# Altium PCB JTAG批量下载板-V1.6-ASCII.PcbDoc (part 12 of 14)
Units mil, origin at the board's own origin, x right, y up, seen from the top; angles counter-clockwise.
Board outline 7947.6 x 7007.76 mil, 2 copper layers (Top Layer, Bottom Layer); 207 components, 340 nets, 1329 pads, 792 vias.
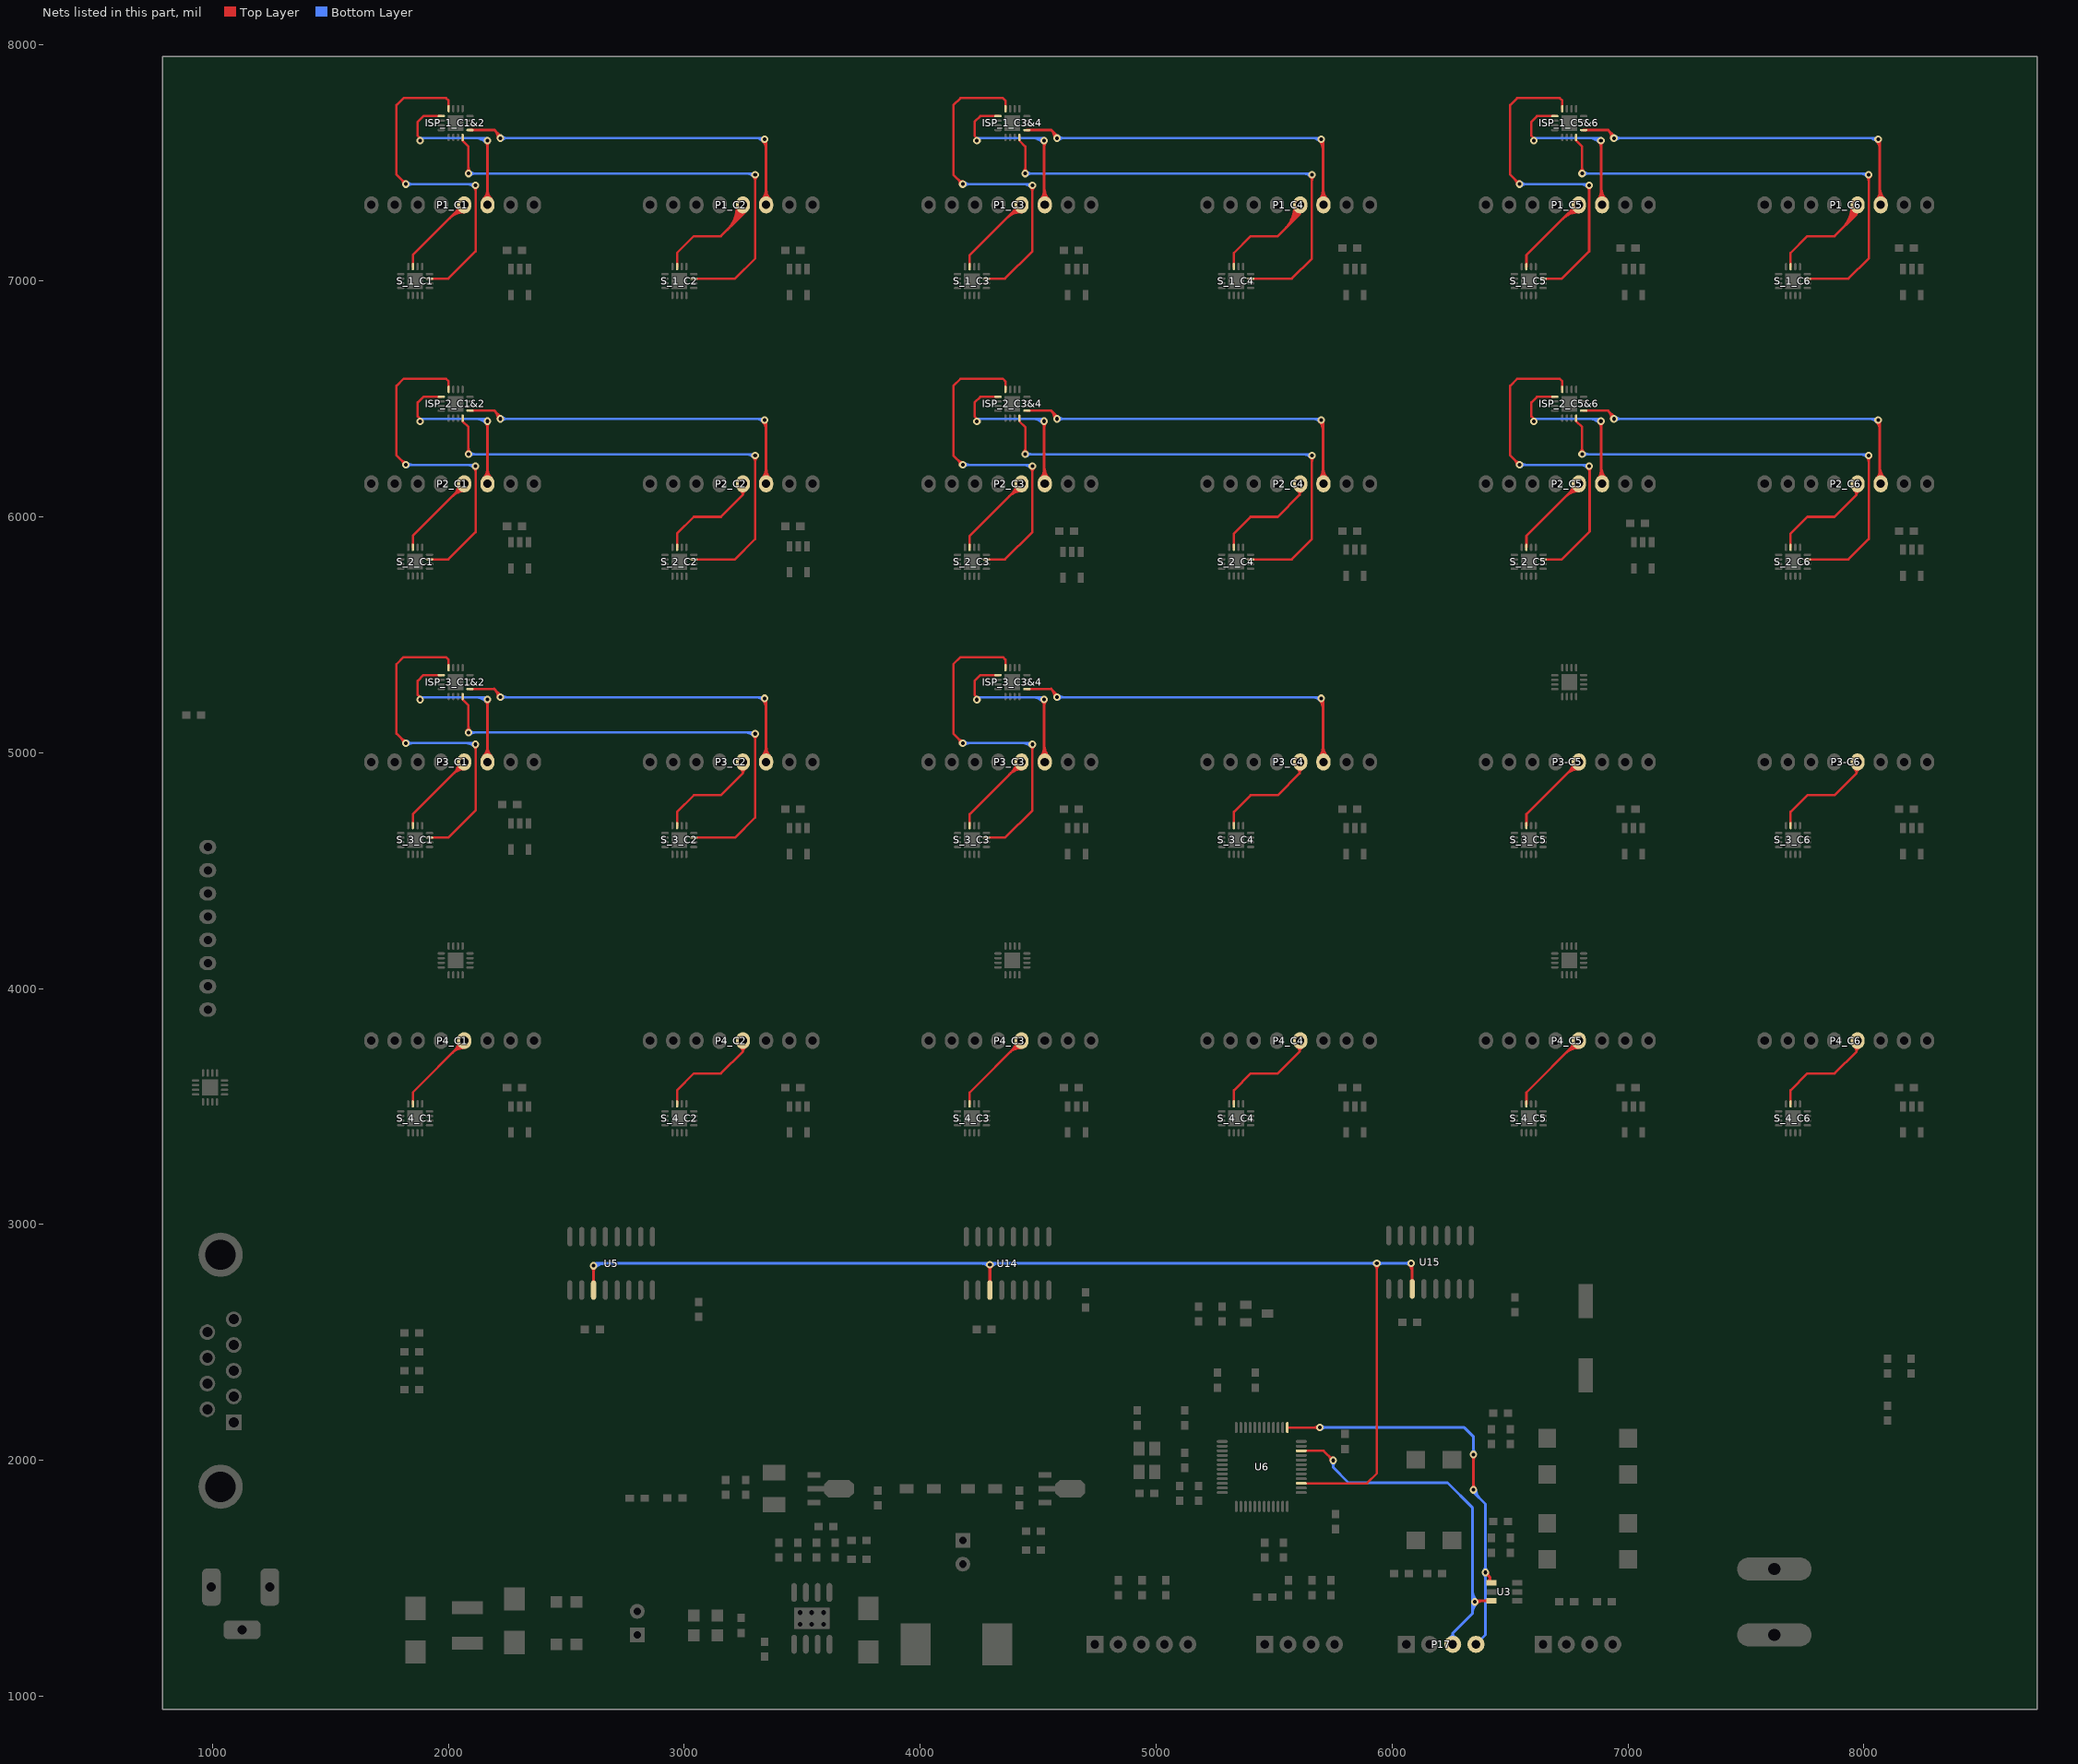
[diagram p12: the nets of this part, all layers, seen from the top]

## Via types
v1: diameter 32, hole 16, Top Layer to Bottom Layer, 721 vias
v2: diameter 50, hole 28, Top Layer to Bottom Layer, 45 vias
v3: diameter 40, hole 20, Top Layer to Bottom Layer, 26 vias

## Nets (pads, with @x,y where several pads share a name; then routed paths per layer and width w, separated by ;. In a path a pad name is that pad's centre, name@x,y a point inside that pad or via, vN(x,y) a via of type N, cw(c..) or ccw(c..) an arc to the next point about the centre after c; other vN are vias at no path point) (continued)
SRCLK_1: U5.11 U6.27 U14.11 U15.11 | length 7289.3
  Top Layer w10: U6.27@5614.65,1902.83 5892.83,1902.83 5935,1945 v1(5935,2835) ; v1@5927.22,2827.22 cw(c5908.44,2808.44) 5935,2808.44 ; v1@5927.22,2827.22 cw(c5908.44,2808.44) 5935,2808.44 ; v1@5927.22,2827.22 cw(c5908.44,2808.44) 5935,2808.44 ; v1@5927.22,2827.22 cw(c5908.44,2808.44) 5935,2808.44 ; v1@5927.22,2827.22 cw(c5908.44,2808.44) 5935,2808.44 ; 5935,2808.44 cw(c5961.56,2808.44) v1@5942.78,2827.22 ; 5935,2808.44 cw(c5961.56,2808.44) v1@5942.78,2827.22 ; 5935,2808.44 cw(c5961.56,2808.44) v1@5942.78,2827.22 ; 5935,2808.44 cw(c5961.56,2808.44) v1@5942.78,2827.22 ; 5935,2808.44 cw(c5961.56,2808.44) v1@5942.78,2827.22
  Top Layer w12: U5.11@2615,2721.81 v1(2615,2825) ; U14.11@4295,2721.81 v1(4295,2830) ; v1(6080,2835) 6085,2830 U15.11@6085,2726.81 ; v1@2607.93,2817.93 cw(c2590.86,2800.86) 2615,2800.86 ; v1@2607.93,2817.93 cw(c2590.86,2800.86) 2615,2800.86 ; v1@2607.93,2817.93 cw(c2590.86,2800.86) 2615,2800.86 ; v1@2607.93,2817.93 cw(c2590.86,2800.86) 2615,2800.86 ; v1@2607.93,2817.93 cw(c2590.86,2800.86) 2615,2800.86 ; U5.11@2611.59,2755.74 ccw(c2603.35,2763.98) 2615,2763.98 ; U5.11@2611.59,2755.74 ccw(c2603.35,2763.98) 2615,2763.98 ; U5.11@2611.59,2755.74 ccw(c2603.35,2763.98) 2615,2763.98 ; U5.11@2611.59,2755.74 ccw(c2603.35,2763.98) 2615,2763.98 ; U5.11@2611.59,2755.74 ccw(c2603.35,2763.98) 2615,2763.98 ; 2615,2763.98 ccw(c2626.65,2763.98) U5.11@2618.41,2755.74 ; 2615,2763.98 ccw(c2626.65,2763.98) U5.11@2618.41,2755.74 ; 2615,2763.98 ccw(c2626.65,2763.98) U5.11@2618.41,2755.74 ; 2615,2763.98 ccw(c2626.65,2763.98) U5.11@2618.41,2755.74 ; 2615,2763.98 ccw(c2626.65,2763.98) U5.11@2618.41,2755.74 ; 2615,2800.86 cw(c2639.14,2800.86) v1@2622.07,2817.93 ; 2615,2800.86 cw(c2639.14,2800.86) v1@2622.07,2817.93 ; 2615,2800.86 cw(c2639.14,2800.86) v1@2622.07,2817.93 ; 2615,2800.86 cw(c2639.14,2800.86) v1@2622.07,2817.93 ; 2615,2800.86 cw(c2639.14,2800.86) v1@2622.07,2817.93 ; v1@4287.93,2822.93 cw(c4270.86,2805.86) 4295,2805.86 ; v1@4287.93,2822.93 cw(c4270.86,2805.86) 4295,2805.86 ; v1@4287.93,2822.93 cw(c4270.86,2805.86) 4295,2805.86 ; v1@4287.93,2822.93 cw(c4270.86,2805.86) 4295,2805.86 ; v1@4287.93,2822.93 cw(c4270.86,2805.86) 4295,2805.86 ; U14.11@4291.59,2755.74 ccw(c4283.35,2763.98) 4295,2763.98 ; U14.11@4291.59,2755.74 ccw(c4283.35,2763.98) 4295,2763.98 ; U14.11@4291.59,2755.74 ccw(c4283.35,2763.98) 4295,2763.98 ; U14.11@4291.59,2755.74 ccw(c4283.35,2763.98) 4295,2763.98 ; U14.11@4291.59,2755.74 ccw(c4283.35,2763.98) 4295,2763.98 ; 4295,2763.98 ccw(c4306.65,2763.98) U14.11@4298.41,2755.74 ; 4295,2763.98 ccw(c4306.65,2763.98) U14.11@4298.41,2755.74 ; 4295,2763.98 ccw(c4306.65,2763.98) U14.11@4298.41,2755.74 ; 4295,2763.98 ccw(c4306.65,2763.98) U14.11@4298.41,2755.74 ; 4295,2763.98 ccw(c4306.65,2763.98) U14.11@4298.41,2755.74 ; 4295,2805.86 cw(c4319.14,2805.86) v1@4302.07,2822.93 ; 4295,2805.86 cw(c4319.14,2805.86) v1@4302.07,2822.93 ; 4295,2805.86 cw(c4319.14,2805.86) v1@4302.07,2822.93 ; 4295,2805.86 cw(c4319.14,2805.86) v1@4302.07,2822.93 ; 4295,2805.86 cw(c4319.14,2805.86) v1@4302.07,2822.93 ; v1@6072.93,2827.93 cw(c6043.79,2798.79) 6085,2798.79 ; v1@6072.93,2827.93 cw(c6043.79,2798.79) 6085,2798.79 ; v1@6072.93,2827.93 cw(c6043.79,2798.79) 6085,2798.79 ; v1@6072.93,2827.93 cw(c6043.79,2798.79) 6085,2798.79 ; v1@6072.93,2827.93 cw(c6043.79,2798.79) 6085,2798.79 ; U15.11@6081.59,2760.74 ccw(c6073.35,2768.98) 6085,2768.98 ; U15.11@6081.59,2760.74 ccw(c6073.35,2768.98) 6085,2768.98 ; U15.11@6081.59,2760.74 ccw(c6073.35,2768.98) 6085,2768.98 ; U15.11@6081.59,2760.74 ccw(c6073.35,2768.98) 6085,2768.98 ; U15.11@6081.59,2760.74 ccw(c6073.35,2768.98) 6085,2768.98 ; 6085,2768.98 ccw(c6096.65,2768.98) U15.11@6088.41,2760.74 ; 6085,2768.98 ccw(c6096.65,2768.98) U15.11@6088.41,2760.74 ; 6085,2768.98 ccw(c6096.65,2768.98) U15.11@6088.41,2760.74 ; 6085,2768.98 ccw(c6096.65,2768.98) U15.11@6088.41,2760.74 ; 6085,2768.98 ccw(c6096.65,2768.98) U15.11@6088.41,2760.74
  Bottom Layer w12: v1(2615,2825) 2625,2835 v1@6090,2835 ; v1@2613.59,2826.41 cw(c2634.31,2805.69) 2634.31,2835 ; v1@2613.59,2826.41 cw(c2634.31,2805.69) 2634.31,2835 ; v1@2613.59,2826.41 cw(c2634.31,2805.69) 2634.31,2835 ; v1@2613.59,2826.41 cw(c2634.31,2805.69) 2634.31,2835 ; v1@2613.59,2826.41 cw(c2634.31,2805.69) 2634.31,2835 ; v1@2622.07,2817.93 cw(c2663.28,2776.72) 2663.28,2835 ; v1@2622.07,2817.93 cw(c2663.28,2776.72) 2663.28,2835 ; v1@2622.07,2817.93 cw(c2663.28,2776.72) 2663.28,2835 ; v1@2622.07,2817.93 cw(c2663.28,2776.72) 2663.28,2835 ; v1@2622.07,2817.93 cw(c2663.28,2776.72) 2663.28,2835 ; 4258.79,2835 cw(c4258.79,2793.79) v1@4287.93,2822.93 ; 4258.79,2835 cw(c4258.79,2793.79) v1@4287.93,2822.93 ; 4258.79,2835 cw(c4258.79,2793.79) v1@4287.93,2822.93 ; 4258.79,2835 cw(c4258.79,2793.79) v1@4287.93,2822.93 ; 4258.79,2835 cw(c4258.79,2793.79) v1@4287.93,2822.93 ; v1@4302.07,2822.93 cw(c4331.21,2793.79) 4331.21,2835 ; v1@4302.07,2822.93 cw(c4331.21,2793.79) 4331.21,2835 ; v1@4302.07,2822.93 cw(c4331.21,2793.79) 4331.21,2835 ; v1@4302.07,2822.93 cw(c4331.21,2793.79) 4331.21,2835 ; v1@4302.07,2822.93 cw(c4331.21,2793.79) 4331.21,2835 ; 5910.86,2835 cw(c5910.86,2810.86) v1@5927.93,2827.93 ; 5910.86,2835 ccw(c5910.86,2859.14) v1@5927.93,2842.07 ; 5910.86,2835 cw(c5910.86,2810.86) v1@5927.93,2827.93 ; 5910.86,2835 ccw(c5910.86,2859.14) v1@5927.93,2842.07 ; 5910.86,2835 cw(c5910.86,2810.86) v1@5927.93,2827.93 ; 5910.86,2835 ccw(c5910.86,2859.14) v1@5927.93,2842.07 ; 5910.86,2835 cw(c5910.86,2810.86) v1@5927.93,2827.93 ; 5910.86,2835 ccw(c5910.86,2859.14) v1@5927.93,2842.07 ; 5910.86,2835 cw(c5910.86,2810.86) v1@5927.93,2827.93 ; 5910.86,2835 ccw(c5910.86,2859.14) v1@5927.93,2842.07 ; v1@5942.07,2827.93 cw(c5959.14,2810.86) 5959.14,2835 ; v1@5942.07,2827.93 cw(c5959.14,2810.86) 5959.14,2835 ; v1@5942.07,2827.93 cw(c5959.14,2810.86) 5959.14,2835 ; v1@5942.07,2827.93 cw(c5959.14,2810.86) 5959.14,2835 ; v1@5942.07,2827.93 cw(c5959.14,2810.86) 5959.14,2835 ; v1@5942.07,2842.07 ccw(c5959.14,2859.14) 5959.14,2835 ; v1@5942.07,2842.07 ccw(c5959.14,2859.14) 5959.14,2835 ; v1@5942.07,2842.07 ccw(c5959.14,2859.14) 5959.14,2835 ; v1@5942.07,2842.07 ccw(c5959.14,2859.14) 5959.14,2835 ; v1@5942.07,2842.07 ccw(c5959.14,2859.14) 5959.14,2835 ; 6055.86,2835 cw(c6055.86,2810.86) v1@6072.93,2827.93 ; 6055.86,2835 ccw(c6055.86,2859.14) v1@6072.93,2842.07 ; 6055.86,2835 cw(c6055.86,2810.86) v1@6072.93,2827.93 ; 6055.86,2835 ccw(c6055.86,2859.14) v1@6072.93,2842.07 ; 6055.86,2835 cw(c6055.86,2810.86) v1@6072.93,2827.93 ; 6055.86,2835 ccw(c6055.86,2859.14) v1@6072.93,2842.07 ; 6055.86,2835 cw(c6055.86,2810.86) v1@6072.93,2827.93 ; 6055.86,2835 ccw(c6055.86,2859.14) v1@6072.93,2842.07 ; 6055.86,2835 cw(c6055.86,2810.86) v1@6072.93,2827.93 ; 6055.86,2835 ccw(c6055.86,2859.14) v1@6072.93,2842.07
SWCLK: P17.4 U3.1 U6.37 | length 3574.8
  Top Layer w10: U6.37@5555.59,2139.06 v1(5694.06,2139.06) ; 5667.5,2139.06 cw(c5667.5,2112.5) v1@5686.28,2131.28 ; 5667.5,2139.06 ccw(c5667.5,2165.61) v1@5686.28,2146.83 ; 5667.5,2139.06 cw(c5667.5,2112.5) v1@5686.28,2131.28 ; 5667.5,2139.06 ccw(c5667.5,2165.61) v1@5686.28,2146.83 ; 5667.5,2139.06 cw(c5667.5,2112.5) v1@5686.28,2131.28 ; 5667.5,2139.06 ccw(c5667.5,2165.61) v1@5686.28,2146.83 ; 5667.5,2139.06 cw(c5667.5,2112.5) v1@5686.28,2131.28 ; 5667.5,2139.06 ccw(c5667.5,2165.61) v1@5686.28,2146.83 ; 5667.5,2139.06 cw(c5667.5,2112.5) v1@5686.28,2131.28 ; 5667.5,2139.06 ccw(c5667.5,2165.61) v1@5686.28,2146.83
  Top Layer w12: v1(6345,1875) v1(6345,2025) ; v1(6395,1525) 6415,1505 ; U3.1@6415,1485 6415,1505 ; v1@6337.93,1882.07 ccw(c6320.86,1899.14) 6345,1899.14 ; v1@6337.93,1882.07 ccw(c6320.86,1899.14) 6345,1899.14 ; v1@6337.93,1882.07 ccw(c6320.86,1899.14) 6345,1899.14 ; v1@6337.93,1882.07 ccw(c6320.86,1899.14) 6345,1899.14 ; v1@6337.93,1882.07 ccw(c6320.86,1899.14) 6345,1899.14 ; v1@6337.93,2017.93 cw(c6320.86,2000.86) 6345,2000.86 ; v1@6337.93,2017.93 cw(c6320.86,2000.86) 6345,2000.86 ; v1@6337.93,2017.93 cw(c6320.86,2000.86) 6345,2000.86 ; v1@6337.93,2017.93 cw(c6320.86,2000.86) 6345,2000.86 ; v1@6337.93,2017.93 cw(c6320.86,2000.86) 6345,2000.86 ; 6345,1899.14 ccw(c6369.14,1899.14) v1@6352.07,1882.07 ; 6345,1899.14 ccw(c6369.14,1899.14) v1@6352.07,1882.07 ; 6345,1899.14 ccw(c6369.14,1899.14) v1@6352.07,1882.07 ; 6345,1899.14 ccw(c6369.14,1899.14) v1@6352.07,1882.07 ; 6345,1899.14 ccw(c6369.14,1899.14) v1@6352.07,1882.07 ; 6345,2000.86 cw(c6369.14,2000.86) v1@6352.07,2017.93 ; 6345,2000.86 cw(c6369.14,2000.86) v1@6352.07,2017.93 ; 6345,2000.86 cw(c6369.14,2000.86) v1@6352.07,2017.93 ; 6345,2000.86 cw(c6369.14,2000.86) v1@6352.07,2017.93 ; 6345,2000.86 cw(c6369.14,2000.86) v1@6352.07,2017.93 ; v1@6395,1515 cw(c6395,1490.86) 6412.07,1507.93 ; v1@6395,1515 cw(c6395,1490.86) 6412.07,1507.93 ; v1@6395,1515 cw(c6395,1490.86) 6412.07,1507.93 ; v1@6395,1515 cw(c6395,1490.86) 6412.07,1507.93 ; v1@6395,1515 cw(c6395,1490.86) 6412.07,1507.93 ; v1@6405,1525 ccw(c6429.14,1525) 6412.07,1507.93 ; v1@6405,1525 ccw(c6429.14,1525) 6412.07,1507.93 ; v1@6405,1525 ccw(c6429.14,1525) 6412.07,1507.93 ; v1@6405,1525 ccw(c6429.14,1525) 6412.07,1507.93 ; v1@6405,1525 ccw(c6429.14,1525) 6412.07,1507.93 ; U3.1@6406.13,1484.19 ccw(c6386.15,1505) 6415,1505 ; U3.1@6406.13,1484.19 ccw(c6386.15,1505) 6415,1505 ; U3.1@6406.13,1484.19 ccw(c6386.15,1505) 6415,1505 ; U3.1@6406.13,1484.19 ccw(c6386.15,1505) 6415,1505 ; U3.1@6406.13,1484.19 ccw(c6386.15,1505) 6415,1505
  Bottom Layer w12: v1(5694.06,2139.06) 6305.94,2139.06 6345,2100 v1(6345,2025) ; v1(6345,1875) 6345,1865 6395,1815 6395,1259.72 P17.4@6355.28,1220 ; v1@5701.13,2131.98 cw(c5718.2,2114.91) 5718.2,2139.06 ; v1@5701.13,2131.98 cw(c5718.2,2114.91) 5718.2,2139.06 ; v1@5701.13,2131.98 cw(c5718.2,2114.91) 5718.2,2139.06 ; v1@5701.13,2131.98 cw(c5718.2,2114.91) 5718.2,2139.06 ; v1@5701.13,2131.98 cw(c5718.2,2114.91) 5718.2,2139.06 ; v1@5701.13,2146.13 ccw(c5718.2,2163.2) 5718.2,2139.06 ; v1@5701.13,2146.13 ccw(c5718.2,2163.2) 5718.2,2139.06 ; v1@5701.13,2146.13 ccw(c5718.2,2163.2) 5718.2,2139.06 ; v1@5701.13,2146.13 ccw(c5718.2,2163.2) 5718.2,2139.06 ; v1@5701.13,2146.13 ccw(c5718.2,2163.2) 5718.2,2139.06 ; v1@6337.93,2032.07 ccw(c6320.86,2049.14) 6345,2049.14 ; v1@6337.93,2032.07 ccw(c6320.86,2049.14) 6345,2049.14 ; v1@6337.93,2032.07 ccw(c6320.86,2049.14) 6345,2049.14 ; v1@6337.93,2032.07 ccw(c6320.86,2049.14) 6345,2049.14 ; v1@6337.93,2032.07 ccw(c6320.86,2049.14) 6345,2049.14 ; 6345,2049.14 ccw(c6369.14,2049.14) v1@6352.07,2032.07 ; 6345,2049.14 ccw(c6369.14,2049.14) v1@6352.07,2032.07 ; 6345,2049.14 ccw(c6369.14,2049.14) v1@6352.07,2032.07 ; 6345,2049.14 ccw(c6369.14,2049.14) v1@6352.07,2032.07 ; 6345,2049.14 ccw(c6369.14,2049.14) v1@6352.07,2032.07 ; v1@6355,1875 ccw(c6403.28,1875) 6369.14,1840.86 ; v1@6355,1875 ccw(c6403.28,1875) 6369.14,1840.86 ; v1@6355,1875 ccw(c6403.28,1875) 6369.14,1840.86 ; v1@6355,1875 ccw(c6403.28,1875) 6369.14,1840.86 ; v1@6387.93,1517.93 cw(c6370.86,1500.86) 6395,1500.86 ; v1@6387.93,1517.93 cw(c6370.86,1500.86) 6395,1500.86 ; v1@6387.93,1517.93 cw(c6370.86,1500.86) 6395,1500.86 ; v1@6387.93,1517.93 cw(c6370.86,1500.86) 6395,1500.86 ; v1@6387.93,1517.93 cw(c6370.86,1500.86) 6395,1500.86 ; v1@6387.93,1532.07 ccw(c6370.86,1549.14) 6395,1549.14 ; v1@6387.93,1532.07 ccw(c6370.86,1549.14) 6395,1549.14 ; v1@6387.93,1532.07 ccw(c6370.86,1549.14) 6395,1549.14 ; v1@6387.93,1532.07 ccw(c6370.86,1549.14) 6395,1549.14 ; v1@6387.93,1532.07 ccw(c6370.86,1549.14) 6395,1549.14 ; 6395,1500.86 cw(c6419.14,1500.86) v1@6402.07,1517.93 ; 6395,1500.86 cw(c6419.14,1500.86) v1@6402.07,1517.93 ; 6395,1500.86 cw(c6419.14,1500.86) v1@6402.07,1517.93 ; 6395,1500.86 cw(c6419.14,1500.86) v1@6402.07,1517.93 ; 6395,1500.86 cw(c6419.14,1500.86) v1@6402.07,1517.93 ; 6395,1549.14 ccw(c6419.14,1549.14) v1@6402.07,1532.07 ; 6395,1549.14 ccw(c6419.14,1549.14) v1@6402.07,1532.07 ; 6395,1549.14 ccw(c6419.14,1549.14) v1@6402.07,1532.07 ; 6395,1549.14 ccw(c6419.14,1549.14) v1@6402.07,1532.07 ; 6395,1549.14 ccw(c6419.14,1549.14) v1@6402.07,1532.07
SWDIO: P17.3 U3.3 U6.34 | length 3067.1
  Top Layer w10: U6.34@5614.65,2040.63 5709.37,2040.63 v1(5750,2000) ; 5731.22,2018.78 cw(c5712.44,2000) v1@5739,2000 ; 5731.22,2018.78 ccw(c5750,2037.56) v1@5750,2011 ; 5731.22,2018.78 cw(c5712.44,2000) v1@5739,2000 ; 5731.22,2018.78 ccw(c5750,2037.56) v1@5750,2011 ; 5731.22,2018.78 cw(c5712.44,2000) v1@5739,2000 ; 5731.22,2018.78 ccw(c5750,2037.56) v1@5750,2011 ; 5731.22,2018.78 cw(c5712.44,2000) v1@5739,2000 ; 5731.22,2018.78 ccw(c5750,2037.56) v1@5750,2011 ; 5731.22,2018.78 cw(c5712.44,2000) v1@5739,2000 ; 5731.22,2018.78 ccw(c5750,2037.56) v1@5750,2011
  Top Layer w12: v1(6350,1400) 6355.2,1405.2 U3.3@6420,1405.2 ; v1@6357.07,1392.93 cw(c6386.69,1363.31) 6386.69,1405.2 ; v1@6357.07,1392.93 cw(c6386.69,1363.31) 6386.69,1405.2 ; v1@6357.07,1392.93 cw(c6386.69,1363.31) 6386.69,1405.2 ; v1@6357.07,1392.93 cw(c6386.69,1363.31) 6386.69,1405.2 ; v1@6357.07,1392.93 cw(c6386.69,1363.31) 6386.69,1405.2 ; 6396.13,1405.2 cw(c6396.13,1391.17) U3.3@6406.05,1401.09 ; 6396.13,1405.2 ccw(c6396.13,1419.23) U3.3@6406.05,1409.31 ; 6396.13,1405.2 cw(c6396.13,1391.17) U3.3@6406.05,1401.09 ; 6396.13,1405.2 ccw(c6396.13,1419.23) U3.3@6406.05,1409.31 ; 6396.13,1405.2 cw(c6396.13,1391.17) U3.3@6406.05,1401.09 ; 6396.13,1405.2 ccw(c6396.13,1419.23) U3.3@6406.05,1409.31 ; 6396.13,1405.2 cw(c6396.13,1391.17) U3.3@6406.05,1401.09 ; 6396.13,1405.2 ccw(c6396.13,1419.23) U3.3@6406.05,1409.31 ; 6396.13,1405.2 cw(c6396.13,1391.17) U3.3@6406.05,1401.09 ; 6396.13,1405.2 ccw(c6396.13,1419.23) U3.3@6406.05,1409.31
  Bottom Layer w12: v1(5750,2000) 5750,1970 5815,1905 6235,1905 6340,1800 6340,1350 6256.85,1266.85 ; P17.3@6256.85,1220 6256.85,1266.85 ; v1@5742.93,1992.93 cw(c5725.86,1975.86) 5750,1975.86 ; v1@5742.93,1992.93 cw(c5725.86,1975.86) 5750,1975.86 ; v1@5742.93,1992.93 cw(c5725.86,1975.86) 5750,1975.86 ; v1@5742.93,1992.93 cw(c5725.86,1975.86) 5750,1975.86 ; v1@5742.93,1992.93 cw(c5725.86,1975.86) 5750,1975.86 ; 5750,1975.86 cw(c5774.14,1975.86) v1@5757.07,1992.93 ; 5750,1975.86 cw(c5774.14,1975.86) v1@5757.07,1992.93 ; 5750,1975.86 cw(c5774.14,1975.86) v1@5757.07,1992.93 ; 5750,1975.86 cw(c5774.14,1975.86) v1@5757.07,1992.93 ; 5750,1975.86 cw(c5774.14,1975.86) v1@5757.07,1992.93 ; P17.3@6244.3,1247.25 ccw(c6235.27,1266.85) 6256.85,1266.85 ; P17.3@6244.3,1247.25 ccw(c6235.27,1266.85) 6256.85,1266.85 ; P17.3@6244.3,1247.25 ccw(c6235.27,1266.85) 6256.85,1266.85 ; P17.3@6244.3,1247.25 ccw(c6235.27,1266.85) 6256.85,1266.85 ; P17.3@6244.3,1247.25 ccw(c6235.27,1266.85) 6256.85,1266.85 ; 6256.85,1266.85 ccw(c6278.43,1266.85) P17.3@6269.4,1247.25 ; 6256.85,1266.85 ccw(c6278.43,1266.85) P17.3@6269.4,1247.25 ; 6256.85,1266.85 ccw(c6278.43,1266.85) P17.3@6269.4,1247.25 ; 6256.85,1266.85 ccw(c6278.43,1266.85) P17.3@6269.4,1247.25 ; 6256.85,1266.85 ccw(c6278.43,1266.85) P17.3@6269.4,1247.25 ; 6340,1351.72 cw(c6398.28,1351.72) v1@6357.07,1392.93 ; 6340,1351.72 cw(c6398.28,1351.72) v1@6357.07,1392.93 ; 6340,1351.72 cw(c6398.28,1351.72) v1@6357.07,1392.93 ; 6340,1351.72 cw(c6398.28,1351.72) v1@6357.07,1392.93 ; 6340,1380.69 cw(c6369.31,1380.69) v1@6348.59,1401.41 ; 6340,1380.69 cw(c6369.31,1380.69) v1@6348.59,1401.41 ; 6340,1380.69 cw(c6369.31,1380.69) v1@6348.59,1401.41 ; 6340,1380.69 cw(c6369.31,1380.69) v1@6348.59,1401.41 ; 6340,1419.31 ccw(c6369.31,1419.31) v1@6348.59,1398.59 ; 6340,1419.31 ccw(c6369.31,1419.31) v1@6348.59,1398.59 ; 6340,1419.31 ccw(c6369.31,1419.31) v1@6348.59,1398.59 ; 6340,1419.31 ccw(c6369.31,1419.31) v1@6348.59,1398.59 ; 6340,1419.31 ccw(c6369.31,1419.31) v1@6348.59,1398.59 ; 6340,1448.28 ccw(c6398.28,1448.28) v1@6357.07,1407.07 ; 6340,1448.28 ccw(c6398.28,1448.28) v1@6357.07,1407.07 ; 6340,1448.28 ccw(c6398.28,1448.28) v1@6357.07,1407.07 ; 6340,1448.28 ccw(c6398.28,1448.28) v1@6357.07,1407.07 ; 6340,1448.28 ccw(c6398.28,1448.28) v1@6357.07,1407.07
TCK_1_C1: P1_C1.4 S_1_C1.7 | length 526.4
  Top Layer w10: S_1_C1.7@1849.13,7061.1 1849.13,7109.69 P1_C1.4@2064.61,7325.16 ; 2006.08,7266.63 cw(c2066.93,7205.78) P1_C1.4@2066.93,7291.83 ; 2023.15,7283.7 cw(c2066.93,7239.92) P1_C1.4@2066.93,7301.83 ; 2031.78,7292.33 ccw(c2007.27,7316.83) P1_C1.4@2041.93,7316.83 ; 2040.22,7300.77 cw(c2066.93,7274.06) P1_C1.4@2066.93,7311.83
TCK_1_C2: P1_C2.4 S_1_C2.7 | length 812.5
  Top Layer w10: S_1_C2.7@2969.13,7061.1 2969.13,7119.13 3040,7190 3155,7190 3248.03,7283.03 P1_C2.4@3248.03,7322.83 ; 3181.45,7216.45 ccw(c3081.07,7316.83) P1_C2.4@3223.03,7316.83 ; 3198.52,7233.52 ccw(c3115.21,7316.83) P1_C2.4@3233.03,7316.83 ; 3215.59,7250.59 ccw(c3149.35,7316.83) P1_C2.4@3243.03,7316.83 ; 3232.66,7267.66 ccw(c3183.49,7316.83) P1_C2.4@3253.03,7316.83 ; 3249.74,7284.73 ccw(c3217.64,7316.83) P1_C2.4@3263.03,7316.83
TCK_1_C3: P1_C3.4 S_1_C3.7 | length 534.8
  Top Layer w10: S_1_C3.7@4209.13,7061.1 4209.13,7109.69 P1_C3.4@4424.61,7325.16 ; 4364.52,7265.07 cw(c4429.13,7200.46) P1_C3.4@4429.13,7291.83 ; 4381.59,7282.14 cw(c4429.13,7234.6) P1_C3.4@4429.13,7301.83 ; 4395.54,7296.09 ccw(c4374.8,7316.83) P1_C3.4@4404.13,7316.83 ; 4398.66,7299.21 cw(c4429.13,7268.74) P1_C3.4@4429.13,7311.83
TCK_1_C4: P1_C4.4 S_1_C4.7 | length 760.1
  Top Layer w10: S_1_C4.7@5329.13,7061.05 5329.13,7119.13 5400,7190 5515,7190 5608.03,7283.03 P1_C4.4@5608.03,7322.83 ; 5545.21,7220.21 ccw(c5448.59,7316.83) P1_C4.4@5585.24,7316.83 ; 5562.29,7237.29 ccw(c5482.74,7316.83) P1_C4.4@5595.24,7316.83 ; 5579.36,7254.36 ccw(c5516.88,7316.83) P1_C4.4@5605.24,7316.83 ; 5596.43,7271.43 ccw(c5551.02,7316.83) P1_C4.4@5615.24,7316.83
TCK_1_C5: P1_C5.4 S_1_C5.7 | length 543.1
  Top Layer w10: S_1_C5.7@6569.13,7061.1 6569.13,7109.69 P1_C5.4@6784.61,7325.16 ; 6722.96,7263.51 cw(c6791.34,7195.13) P1_C5.4@6791.34,7291.83 ; 6740.03,7280.58 cw(c6791.34,7229.28) P1_C5.4@6791.34,7301.83 ; 6757.1,7297.65 cw(c6791.34,7263.42) P1_C5.4@6791.34,7311.83 ; 6759.31,7299.86 ccw(c6742.33,7316.83) P1_C5.4@6766.34,7316.83
TCK_1_C6: P1_C6.4 S_1_C6.7 | length 743.4
  Top Layer w10: S_1_C6.7@7689.13,7061.1 7689.13,7119.13 7760,7190 7875,7190 7968.03,7283.03 P1_C6.4@7968.03,7322.83 ; 7908.98,7223.98 ccw(c7816.12,7316.83) P1_C6.4@7947.44,7316.83 ; 7926.05,7241.05 ccw(c7850.26,7316.83) P1_C6.4@7957.44,7316.83 ; 7943.12,7258.12 ccw(c7884.41,7316.83) P1_C6.4@7967.44,7316.83 ; 7960.19,7275.19 ccw(c7918.55,7316.83) P1_C6.4@7977.44,7316.83
TCK_2_C1: P2_C1.4 S_2_C1.7 | length 505
  Top Layer w10: S_2_C1.7@1849.13,5871.05 1849.13,5919.69 P2_C1.4@2064.61,6135.16 ; 2018.31,6088.86 cw(c2066.93,6040.24) P2_C1.4@2066.93,6109 ; 2026.71,6097.26 ccw(c1989.97,6134) P2_C1.4@2041.93,6134 ; 2035.38,6105.93 cw(c2066.93,6074.39) P2_C1.4@2066.93,6119 ; 2043.78,6114.33 ccw(c2024.12,6134) P2_C1.4@2051.93,6134
TCK_2_C2: P2_C2.4 S_2_C2.7 | length 537
  Top Layer w10: S_2_C2.7@2969.13,5871.1 2969.13,5929.13 3040,6000 3155,6000 3248.03,6093.03 ; P2_C2.4@3248.03,6132.83 3248.03,6093.03 ; 3248.03,6093.03 cw(c3269.1,6093.03) 3259.46,6111.77 ccw(c3269.1,6093.03) 3248.03,6093.03 ; 3248.03,6093.03 ccw(c3226.97,6093.03) 3236.6,6111.77 cw(c3226.97,6093.03) 3248.03,6093.03
TCK_2_C3: P2_C3.4 S_2_C3.7 | length 487.3
  Top Layer w10: S_2_C3.7@4209.13,5871.1 4209.13,5919.69 P2_C3.4@4424.61,6135.16 ; 4376.75,6087.3 cw(c4429.13,6034.92) P2_C3.4@4429.13,6109 ; 4390.48,6101.03 ccw(c4357.5,6134) P2_C3.4@4404.13,6134 ; 4393.82,6104.37 cw(c4429.13,6069.06) P2_C3.4@4429.13,6119
TCK_2_C4: P2_C4.4 S_2_C4.7 | length 537.7
  Top Layer w10: S_2_C4.7@5329.13,5871.05 5329.13,5929.13 5400,6000 5515,6000 5608.03,6093.03 P2_C4.4@5608.03,6132.83 ; 5608.03,6092.97 cw(c5627.57,6092.97) 5619.97,6110.97 ccw(c5627.57,6092.97) 5608.03,6092.97 ; 5608.03,6092.97 ccw(c5584.71,6092.97) 5597.03,6112.77 cw(c5584.71,6092.97) 5608.03,6092.97
TCK_2_C5: P2_C5.4 S_2_C5.7 | length 491.5
  Top Layer w10: S_2_C5.7@6569.13,5871.1 6569.13,5919.69 P2_C5.4@6784.61,6135.16 ; 6735.19,6085.74 cw(c6791.34,6029.6) P2_C5.4@6791.34,6109 ; 6752.26,6102.81 cw(c6791.34,6063.74) P2_C5.4@6791.34,6119 ; 6754.24,6104.79 ccw(c6725.03,6134) P2_C5.4@6766.34,6134
TCK_2_C6: P2_C6.4 S_2_C6.7 | length 539.8
  Top Layer w10: S_2_C6.7@7689.13,5871.1 7689.13,5929.13 7760,6000 7875,6000 7968.03,6093.03 P2_C6.4@7968.03,6132.83 ; 7968.03,6092.8 cw(c7986.6,6092.8) 7980.57,6110.36 ccw(c7986.6,6092.8) 7968.03,6092.8 ; 7968.03,6092.8 ccw(c7941.51,6092.8) 7957.43,6114.01 cw(c7941.51,6092.8) 7968.03,6092.8
TCK_3_C1: P3_C1.4 S_3_C1.7 | length 505